# KiCad board Koca.kicad_pcb (continued)
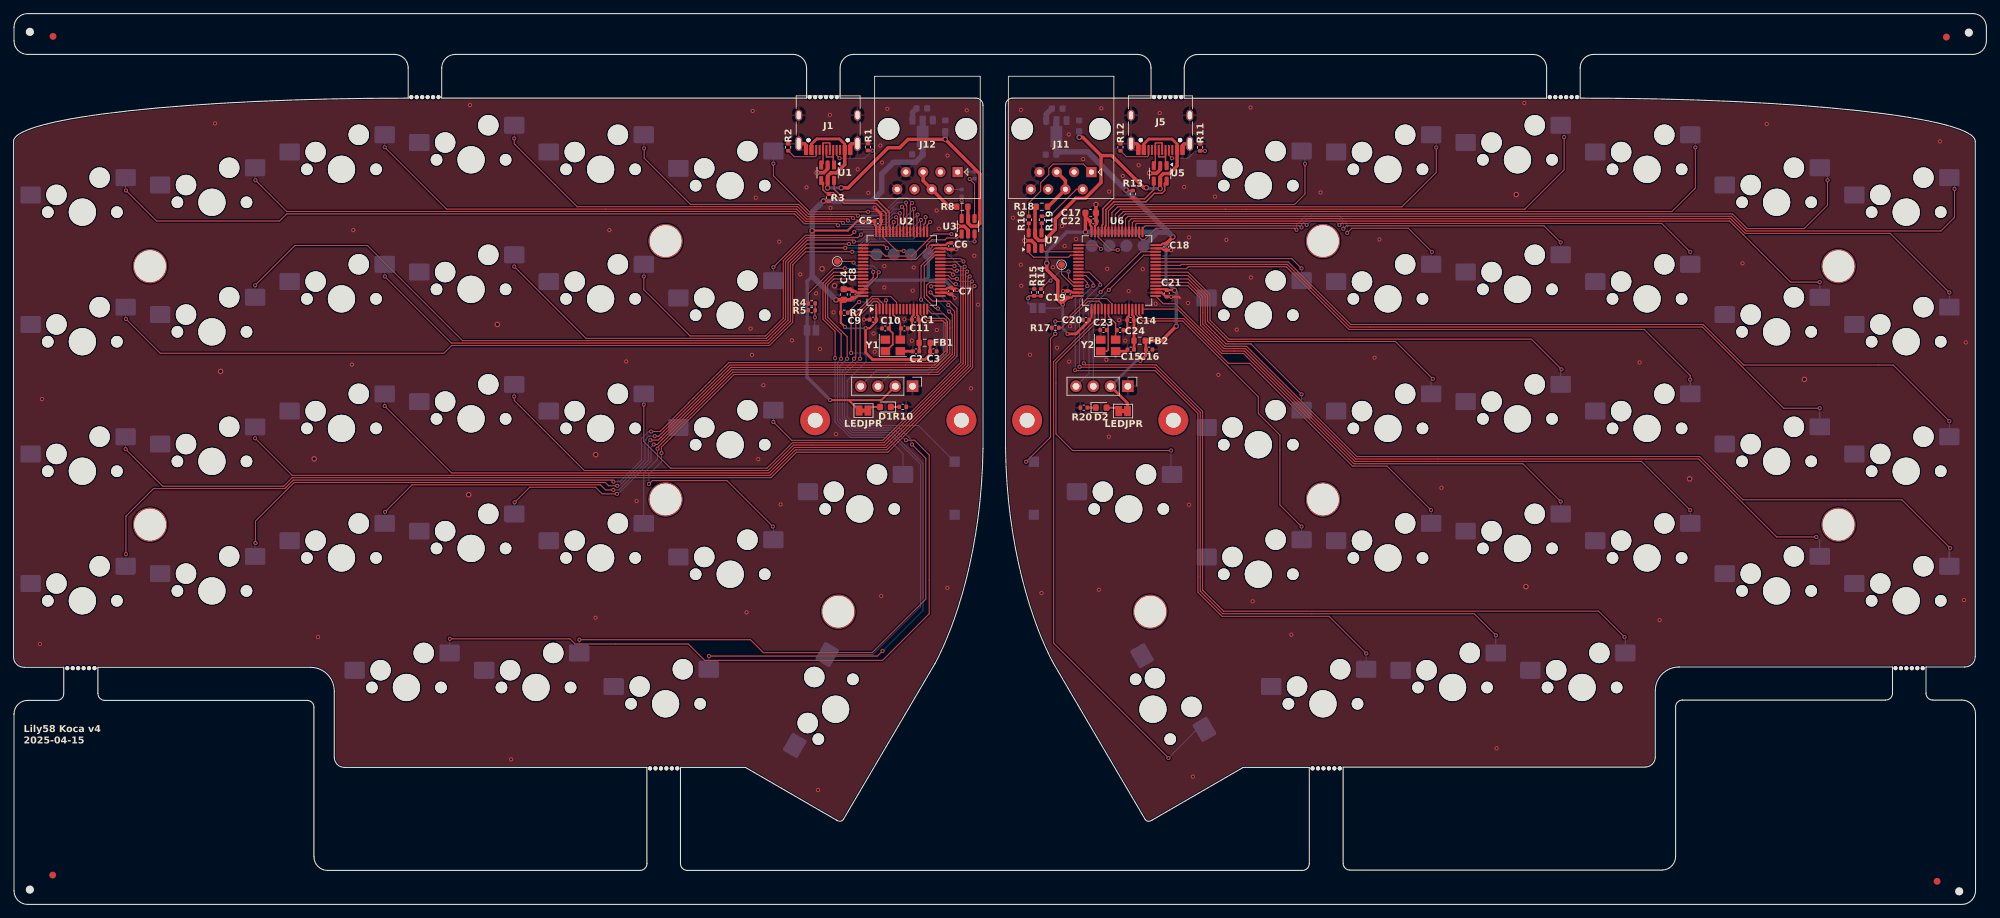
[diagram p0: board, top side]
## Routing (per net, layer and track width the routed paths; a pad name or vN(x,y) marks a point on that pad's centre or on a via; arc(x,y) is an arc through that point)
+3.3VA: length 120.3
  Top w0.2: R13.1 163.62,104.98 v2(163.56,105.05)
  Top w0.3: U6.19 169.41,90.47 C21.1 170.65,90.34 v2(170.69,90.3) ; C18.1 168.94,97.18 168.74,96.97 U6.32 ; C22.1 158.28,99.88 158.49,99.67 U6.48 ; U6.64 155.78,89.47 155.56,89.25 C19.1 ; U6.1 158.49,86.3
  Top w0.4: v1(165.66,79.92) 166.48,80.74 C16.1 166.48,82.81 FB2.2 ; v1(154.26,88.2) 154.26,88.52 C19.1 ; JP4.1 163.78,73.7 J7.2 ; C20.1 158.16,85.86 156.21,83.9 v1(154.96,83.9)
  Top w0.5: FB2.2 168.81,82.9 v2(170.95,85.03) ; 157.59,101.14 C22.1 ; 157.59,101.14 157.59,98.88 v2(157.59,98.88) ; 157.59,101.14 C17.1 ; v2(170.45,98.16) 169.49,97.2 C18.1 169.55,97.24 ; v1(154.26,88.2) 153.53,88.93 153.53,91.72 151.91,93.34 v2(151.91,94.3)
  Bottom w0.2: v1(154.26,88.2) 153.76,87.7 JP3.1
  Bottom w0.4: v1(154.26,88.2) 154.26,84.7 154.96,84 v1(154.96,83.9) ; v1(165.66,79.92) 165.05,79.92 161.33,76.2 J7.2
  Bottom w0.5: v2(170.45,98.16) 170.45,98.11 169.43,97.1 169.43,91.56 v2(170.69,90.3) 170.95,90.05 v2(170.95,85.03) ; v2(151.91,94.3) 151.91,95.94 154.85,98.88 v2(157.59,98.88) 157.61,98.9
  Bottom w0.8: 169.7,98.91 169.63,98.84 168.15,98.84 ; 169.7,98.91 v2(163.56,105.05) 157.96,110.65 153.69,110.65 C26.1 153.32,110.29 U8.2 ; 169.7,98.91 v2(170.45,98.16) ; J6.4 168.15,98.84 ; 168.15,98.84 168.15,98.88 v2(157.59,98.88)
+3V3: length 147.1
  Top w0.2: 119.86,103.42 119.07,103.42 v2(119.06,103.42)
  Top w0.3: JP2.1 124.31,72.64 122.78,74.16 ; v2(117.41,99.08) 117.71,99.08 117.74,99.1 122.66,99.1 124.06,100.5 C5.1 126.58,99.98 126.83,99.73 U2.48 ; C6.1 137.34,97.28 137.03,96.97 U2.32 135.09,96.97 v1(134.83,96.72) ; J3.2 127.59,74.16 122.78,74.16 ; C4.1 121.62,88.48 R7.2 121.62,85.54 v1(122.23,84.93) ; C8.1 123.78,89.22 124.03,89.47 U2.64 ; 122.78,74.16 v1(120.04,74.16) ; U2.1 126.83,86.01 C9.1 126.84,85.69 125.88,84.73 v1(125.28,84.73) ; C7.1 137.34,90.68 137.13,90.47 U2.19
  Top w0.4: FB1.2 134.75,82.56 C3.1 134.75,80.89 134,80.15 126.28,80.15 125.28,81.15 v1(125.28,84.73) ; C7.1 138.03,90.51 138.51,90.51 v1(138.69,90.34)
  Top w0.5: C8.1 123.06,88.92 C4.1 120.94,88.92 v2(120.91,88.9)
  Bottom w0.3: v1(125.28,84.73) 122.43,84.73 v1(122.23,84.93) ; J2.4 134.5,96.39 v1(134.83,96.72)
  Bottom w0.5: 134.01,91.8 134.5,92.29 J2.4 ; 134.01,91.8 136.89,91.8 138.35,90.34 v1(138.69,90.34) ; 134.01,91.8 126.38,91.8 123.49,88.9 v2(120.91,88.9) ; v1(120.04,74.16) 116.66,77.55 JP1.1 116.66,91.65 117.41,92.4
  Bottom w0.8: U4.2 C13.1 133.66,110.2 132.58,109.12 129.36,109.12 127.63,107.4 127.63,104.85 126.21,103.42 v2(119.06,103.42) 117.41,101.78 v2(117.41,99.08) ; v2(120.91,88.9) 117.41,92.4 117.41,98.92
/VDDA_L: length 6.4
  Top w0.3: U2.13 132.83,86.67 133.04,86.46 C1.1
  Top w0.4: C2.1 133.17,85.87 C1.1
/VDDA_R: length 6.1
  Top w0.3: U6.13 164.49,86.67 164.69,86.46 C14.1
  Top w0.4: C14.1 164.74,85.88 FB2.1 164.74,82.89 C15.1
GND: length 30.7
  Top w0.15: U2.31 135.4,96.47 134.62,95.7 134.52,95.7
  Top w0.3: C5.2 127.54,99.99 127.33,99.78 U2.47 ; v1(138.56,96.35) 138.53,96.32 C6.2 137.34,96.32 137.19,96.47 U2.31 ; U2.12 132.33,86.67 132.08,86.42 C1.2 132.08,84.78 132.08,84.78 ; v1(138.37,89.21) 137.87,89.72 C7.2 137.44,89.72 137.19,89.97 U2.18 ; U2.63 123.99,89.97 123.78,90.18 C8.2 ; v1(125.04,86) 125.04,86 C9.2
  Top w0.4: C5.2 127.53,100.5 127.53,101.53 v1(126.59,102.47) ; C2.2 132.19,81.35 Y1.2 130.56,81.35
  Top w0.5: J1.S1 116.3,111.87 116.51,111.66 J1.A12 ; J1.A1 123.01,111.66 123.22,111.87 J1.S1 ; v2(138.81,99.72) 139.77,99.72 140.34,99.15 U3.2 ; U1.2 119.69,108.17 119.11,107.6 v2(118.13,107.6) ; C8.2 123.06,90.47 C4.2
  Bottom w0.5: 98.26,108.4 98.1,108.24 SW7.1
  Bottom w0.8: U4.1 132.16,116.45 C12.2
  vias: v1(3.86,38.3) v1(4.17,74.31) v1(29.62,114.85) v1(44.76,39.31) v1(49.74,79.39) v1(49.94,99.15) v1(67.11,117.54) v1(73.16,21.33) v1(85.55,42.16) v1(87.58,99.15) v1(90.07,79.85) v1(91.6,59.33) v1(107.76,42.95) v1(108.36,84.68) v1(108.56,80.82) v1(108.67,116.68) v1(109.12,103.93) v1(109.48,65.47) v1(110.24,76.35) v1(112.58,97.45) v1(112.78,58.82) v1(114.44,82.95) v1(115.68,92.65) v1(116.59,105.45) v1(117.99,89.85) v1(118.27,16.81) v1(118.57,81.68) v1(120.01,116.1) v1(120.11,102.45) v1(120.55,87.06) v1(120.91,69.15) v1(124.11,108.1) v1(125.66,104.65) v1(126.45,83.97) v1(126.6,81.27) v1(127.44,111.6) v1(127.56,45.36) v1(127.69,109.1) v1(128.02,93.87) v1(128.02,90.72) v1(128.46,117) v1(130.97,86.05) v1(132.06,82.9) v1(132.19,90.26) v1(132.34,93.67) v1(135.71,102.05) v1(135.74,84.47) v1(136.03,99.38) v1(137.31,110.12) v1(137.29,46.55) v1(140.13,116.78) v1(140.77,75.89) v1(141.26,95.4) v1(141.81,88.2) v2(30.43,78.38) v2(44.2,65.52) v2(66.91,60.24) v2(71.12,85.29) v2(85.6,66.13) v2(118.88,93.46) v2(120.7,90.98)
GNDA: length 31.4
  Top w0.3: C19.2 155.41,90.2 155.63,89.97 U6.63 ; C18.2 169.12,96.22 168.86,96.47 U6.31 ; U6.12 163.99,86.58 163.74,86.33 C14.2 163.74,84.42 163.73,84.42 ; U6.47 158.99,99.78 159.24,100.03 C22.2 ; U6.18 168.79,89.97 169.39,89.38 C21.2 170.16,89.38 170.18,89.35 v1(170.2,89.35) 171.3,89.35 171.5,89.15
  Top w0.4: v1(154.28,90.2) 154.98,90.2 C19.2 ; Y2.2 163.53,81.35 C15.2 ; v1(170.18,96.2) 170.16,96.22 C18.2
  Top w0.5: U5.2 168.59,108.07 168.04,107.52 167.03,107.52 v2(167,107.55) ; J5.S1 165.16,111.87 165.41,111.61 165.41,111 J5.A12 ; J5.A1 171.87,111.61 172.13,111.87 J5.S1 ; v2(159.13,102.94) C17.2 159.13,100.56 C22.2 ; v2(148.67,97.61) 149.66,97.61 150.19,97.09 U7.2
  Bottom w0.5: SW36.1 271.32,103.67 ; SW32.1 195.12,109.97 ; SW39.1 195.12,90.92
  Bottom w0.8: C25.2 151.82,116.19 U8.1
  vias: v1(146.94,100.97) v1(148.09,94.08) v1(148.11,116.85) v1(148.16,90.97) v1(149.44,80.82) v1(151.13,45.79) v1(152.81,93.7) v1(153.42,81.86) v1(154.13,99.78) v1(154.53,96.8) v1(155.13,113.22) v1(155.2,79.82) v1(155.32,85.03) v1(156.21,97.83) v1(157.26,109.6) v1(159.57,46.27) v1(159.94,117.08) v1(160.66,80.1) v1(160.79,93.46) v1(161.09,104.83) v1(161.03,68.78) v1(162.56,85.92) v1(163.09,107.12) v1(163.46,82.9) v1(163.94,90.19) v1(165.41,108.7) v1(166.02,93.41) v1(167.9,88.33) v1(168.51,116.38) v1(172.11,105.5) v1(172.67,88.44) v1(172.83,98.09) v1(172.83,58.77) v1(173.38,18.79) v1(176.64,104.08) v1(177.13,77.88) v1(178.31,97.73) v1(179.84,84.52) v1(181.87,117.19) v1(181.92,92.19) v1(182.18,44.56) v1(187.86,39.67) v1(192.16,104.69) v1(200.11,80.41) v1(200.82,97.78) v1(209.94,61.28) v1(218.04,22.95) v1(222.1,117.85) v1(239.07,79.7) v1(242.02,41.8) v1(254.21,94.28) v1(257.76,114.75) v1(283.21,112.21) v1(286.77,44.75) v1(287.02,82.64) v2(220.93,104.39) v2(222.36,46.73) v2(246.43,62.58) v2(263.3,77.21)
VBUS: length 53.2
  Top w0.4: J5.A4 171.07,111.81 170.33,112.55 166.9,112.55 166.17,111.81 J5.A9
  Top w0.5: 159.88,110.12 159.88,106.16 157.55,103.83 156.16,103.83 153.16,100.83 153.16,99.26 151.54,97.64 150.73,97.64 150.19,98.18 U7.5 150.19,102.42 R18.2 ; 159.88,110.12 161.46,110.12 166.19,105.4 v2(166.53,105.4) ; 159.88,110.12 157.21,112.8 v2(156.69,112.8) ; J5.A4 171.07,108.6 169.94,107.48 169.04,107.48 168.59,107.02 U5.5 168.59,105.3 v2(168.56,105.28)
  Bottom w0.5: v2(168.56,105.28) 166.66,105.28 v2(166.53,105.4)
  Bottom w0.8: F2.1 156.66,112.83 v2(156.69,112.8)
/B0_L: length 15.5
  Top w0.15: U2.60 125.68,91.47 126.39,92.19 v1(126.39,93) ; v1(122.23,93.55) 120.59,93.55 116.84,89.81 R4.1
  Bottom w0.15: v1(122.23,93.55) 122.26,93.52 126.14,93.52 126.39,93.26 v1(126.39,93)
/B0_R: length 7.7
  Top w0.15: R14.1 152.29,91.74 v1(152.45,91.74) ; U6.60 155.79,91.47 155.1,92.16 v1(155.1,93.06)
  Bottom w0.15: v1(155.1,93.06) 153.78,93.06 v1(152.45,91.74)
/JMP_BOOT0_L: length 4.1
  Top w0.15: R4.2 R5.2 117.81,87.32 v1(117.81,86.33)
  Bottom w0.15: JP1.2 117.8,84.59 117.8,86.31 v1(117.81,86.33)
/JMP_BOOT0_R: length 3.9
  Top w0.2: v1(149.13,89.12) 149.13,89.33 149.3,89.49 R15.2 R14.2
  Bottom w0.2: JP3.2 149.13,88.47 v1(149.13,89.12)
/L_A: length 2
  Top w0.3: D1.2 126.13,73.15 JP2.2
/L_CC1: length 7.4
  Top w0.15: J1.A5 121.01,110.15 v1(121.44,109.73) ; v1(126.28,110.85) 125.62,110.85 R1.2
  Bottom w0.15: v1(121.44,109.73) 125.16,109.73 v1(126.28,110.85)
/L_CC2: length 5.4
  Top w0.15: J1.B5 118.01,110.08 117.89,109.95 114.77,109.95 R2.2
/L_K: length 1.3
  Top w0.3: 130.22,73.18 130.2,73.15 D1.1
/LCON_V: length 7.8
  Top w0.5: R8.1 137.56,102.6 J12.4 133.72,106.43 133.72,107.7
/NRST_L: length 45.6
  Top w0.15: U2.7 129.83,88.53 128.94,89.42 126.21,89.42 123.13,86.34 v1(123.13,81.09)
  Bottom w0.15: v1(123.13,81.09) 124.84,81.09 125.35,80.59 125.35,79.82 122.56,77.03 122.56,71.68 123.81,70.43 133.03,70.43 SW1.2
/NRST_R: length 34.5
  Top w0.15: 153.16,85.6 v1(153.16,85.72) 154.49,85.72 157.86,89.1 160.71,89.1 161.49,88.32 U6.7 ; v1(153.16,83.9) 152.46,83.2 152.46,68.7 v1(148.86,65.1)
  Bottom w0.15: v1(153.16,85.72) v1(153.16,83.9)
  Bottom w0.2: SW37.2 v1(148.86,65.1)
/R_A: length 2
  Top w0.3: JP4.2 161.99,73.05 D2.2
/R_CC1: length 7.4
  Top w0.15: R11.2 174.47,110.8 v1(175.16,110.8) ; v1(170.32,109.73) 169.87,110.18 J5.A5
  Bottom w0.15: v1(170.32,109.73) 172.66,109.73 173.74,110.8 v1(175.16,110.8)
/R_CC2: length 5.4
  Top w0.15: J5.B5 166.87,110.08 166.74,109.95 163.62,109.95 R12.2
/R_K: length 1.2
  Top w0.3: R20.1 D2.1
/RCON_V: length 6.8
  Top w0.5: R18.1 152.09,102.6 154.65,105.16 154.65,106.43 J11.5
/SCL_L: length 29.7
  Top w0.15: v1(135.89,87.62) 135.53,87.62 133.89,89.26 133.89,93.89 135.48,95.47 U2.29
  Bottom w0.15: v1(135.89,87.62) 137.16,86.35 137.16,80.66 134.52,78.02 128.91,78.02 J3.3
/SCL_R: length 24.1
  Top w0.15: v1(161.02,90.34) 166.15,95.47 U6.29
  Bottom w0.15: J7.3 158.75,88.07 v1(161.02,90.34)
/SDA_L: length 32.2
  Top w0.15: v1(133.42,88.93) 133.42,93.91 135.48,95.97 U2.30
  Bottom w0.15: v1(133.42,88.93) 133.47,88.93 136.71,85.69 136.71,80.82 134.42,78.53 126.88,78.53 J3.4
/SDA_R: length 25.9
  Top w0.15: U6.30 165.76,95.97 v1(159.82,90.04)
  Bottom w0.15: v1(159.82,90.04) 158.12,88.33 158.12,78.11 J7.4
/SIDE_L: length 7.8
  Top w0.15: U2.4 128.33,88.78 128.28,88.83 v1(128.28,88.84) ; R7.1 124.21,88.59 v1(124.31,88.59)
  Top w0.3: R7.1 122.74,87.01
  Bottom w0.15: v1(124.31,88.59) 128.02,88.59 128.27,88.84 v1(128.28,88.84)
/SIDE_R: length 8.9
  Top w0.15: U6.4 159.99,88.32 159.61,88.7 157.96,88.7 154.06,84.8 R17.1
/SWCLK_L: length 5.1
  Top w0.15: v1(128.41,96.5) 127.94,96.97 U2.49
  Bottom w0.15: J2.2 128.52,96.5 v1(128.41,96.5)
/SWCLK_R: length 4.9
  Top w0.15: U6.49 159.29,96.97 v1(159.87,96.4)
  Bottom w0.15: J6.2 160.63,96.4 v1(159.87,96.4)
/SWDIO_L: length 6
  Top w0.15: v1(130.86,96.11) 129.85,96.11 127.83,98.13 U2.46
  Bottom w0.15: J2.3 131.45,96.11 v1(130.86,96.11)
/SWDIO_R: length 5.9
  Top w0.15: v1(162.34,96.24) 161.37,96.24 159.49,98.13 U6.46
  Bottom w0.15: J6.3 163.01,96.24 v1(162.34,96.24)
CON_RX_L: length 1.9
  Bottom w0.15: R6.1 137.56,105.14 J12.2
CON_RX_R: length 15.3
  Top w0.15: R16.1 149.26,103.15 151.01,104.9 151.01,106.12 152.21,107.33 152.21,108.25 152.84,108.88 157.29,108.88 J11.1
CON_TX_L: length 2.5
  Bottom w0.15: J12.1 138.84,107.73 R9.1
CON_TX_R: length 7.6
  Top w0.15: R19.1 152.31,101.2 156.27,105.16 J11.2
HSE_IN_L: length 6.9
  Top w0.25: U2.5 128.83,84.43 129.26,84 129.26,82.33 128.28,81.35 Y1.1
HSE_IN_R: length 7.4
  Top w0.2: U6.5 160.49,85.62 160.94,85.17 160.94,81.55 160.74,81.35 Y2.1
HSE_OUT_L: length 4.9
  Top w0.25: Y1.3 130.38,85.66 129.33,86.71 U2.6
HSE_OUT_R: length 4.9
  Top w0.2: U6.6 160.99,86.5 162.03,85.45 162.03,83.06 Y2.3
L0: length 119.6
  Top w0.15: v1(121.2,99.88) 120.97,100.1 116.29,100.1 114.84,101.55 40.16,101.55 39.11,100.5 21.01,100.5 v1(16.51,105) ; v1(129.4,100.34) 129.33,100.26 U2.43
  Bottom w0.15: SW2.2 16.46,105.05 v1(16.51,105) ; v1(129.4,100.34) 128.72,99.65 121.42,99.65 v1(121.2,99.88)
L1: length 101.5
  Top w0.15: v1(35.56,106.5) 40.16,101.9 114.98,101.9 116.43,100.45 121.7,100.45 v1(121.93,100.22) ; U2.42 129.83,99.72 129.98,99.87 129.98,100.83 v1(129.76,101.05)
  Bottom w0.15: v1(129.76,101.05) 129.26,101.05 128.21,100 122.15,100 v1(121.93,100.22) ; SW3.2 35.51,106.55 v1(35.56,106.5)
L2: length 85.4
  Top w0.15: v1(54.56,111.35) 63.66,102.25 115.13,102.25 116.58,100.8 122.45,100.8 v1(122.67,100.58) ; v1(130.3,101.64) 130.34,101.61 130.34,98.91 U2.41
  Bottom w0.15: v1(130.3,101.64) 130.28,101.63 129.34,101.63 128.07,100.35 122.9,100.35 v1(122.67,100.58) ; SW4.2 v1(54.56,111.35)
L3: length 69
  Top w0.15: v1(73.61,112.65) 73.61,111.85 82.86,102.6 115.27,102.6 116.72,101.15 123.18,101.15 v1(123.41,100.92) ; U2.40 130.83,101.32 130.91,101.4 130.91,102.3 v1(130.61,102.6)
  Bottom w0.15: SW5.2 v1(73.61,112.65) ; v1(130.61,102.6) 130.25,102.24 129.46,102.24 127.92,100.7 123.63,100.7 v1(123.41,100.92)
L4: length 50.6
  Top w0.15: v1(92.71,111.2) 92.71,109.75 99.51,102.95 115.42,102.95 116.87,101.5 123.9,101.5 v1(124.13,101.28) ; U2.39 131.33,102.68 131.21,102.8 v1(131.21,103.2)
  Bottom w0.15: v1(124.13,101.28) 128,101.28 129.93,103.2 v1(131.21,103.2) ; SW6.2 92.66,111.25 v1(92.71,111.2)
L5: length 31.8
  Top w0.15: v1(132.11,103.14) 131.83,102.86 U2.38 ; v1(125.63,101.85) 117.01,101.85 111.71,107.15 v1(111.71,108.95)
  Bottom w0.15: SW7.2 v1(111.71,108.95) ; v1(132.11,103.14) 131.33,103.92 130.13,103.92 128.11,101.9 125.68,101.9 v1(125.63,101.85)
L6: length 143.6
  Top w0.15: v1(16.51,86.1) 21.56,81.05 63.26,81.05 64.41,82.2 111.14,82.2 114.56,85.62 114.56,94.08 116.46,95.97 v1(123.3,95.97) ; v1(139.66,94.55) 139.24,94.97 U2.28
  Bottom w0.15: v1(16.51,86.1) 16.46,86.15 SW8.2 ; v1(123.3,95.97) 124.48,95.97 126,97.5 135.57,97.5 138.52,94.55 v1(139.66,94.55)
L7: length 123.8
  Top w0.15: U2.34 133.83,99.97 134.09,100.23 v1(134.09,101.07) ; v1(35.51,91.05) 41.36,96.9 52.01,96.9 66.01,82.9 110.85,82.9 113.86,85.91 113.86,94.37 116.62,97.12 v1(122.83,97.12)
  Bottom w0.15: SW9.2 v1(35.51,91.05) ; v1(134.09,101.07) 134.09,100.52 131.77,98.2 125.62,98.2 124.32,96.9 123.06,96.9 v1(122.83,97.12)
L8: length 100
  Top w0.15: v1(134.76,100.35) 134.33,99.92 U2.33 ; v1(54.56,92.35) 64.36,82.55 110.99,82.55 114.21,85.77 114.21,94.22 116.54,96.55 v1(122.27,96.55)
  Bottom w0.15: v1(122.27,96.55) 124.56,96.55 125.86,97.85 132.26,97.85 v1(134.76,100.35) ; SW10.2 v1(54.56,92.35)
L9: length 80
  Top w0.15: v1(133.4,100.65) 133.33,100.58 U2.35 ; v1(123.55,97.47) 123.32,97.7 116.7,97.7 113.51,94.51 113.51,86.06 110.7,83.25 84.16,83.25 v1(73.61,93.8)
  Bottom w0.15: SW11.2 v1(73.61,93.8) ; v1(133.4,100.65) 131.3,98.55 125.47,98.55 124.4,97.47 v1(123.55,97.47)
L10: length 61.7
  Top w0.15: v1(124.61,98.5) 124.16,98.05 116.55,98.05 113.16,94.66 113.16,86.2 110.56,83.6 99.46,83.6 92.66,90.4 v1(92.66,92.35) ; U2.36 132.83,101.38 v1(132.9,101.45)
  Bottom w0.15: v1(132.9,101.45) 130.35,98.9 125.01,98.9 v1(124.61,98.5) ; SW12.2 v1(92.66,92.35)
L11: length 29.7
  Top w0.15: v1(111.71,93.7) 116.41,98.4 123.11,98.4 v1(123.61,98.9) ; v1(132.4,102.3) 132.33,102.22 U2.37
  Bottom w0.15: v1(123.61,98.9) 123.96,99.25 129.35,99.25 v1(132.4,102.3) ; SW13.2 v1(111.71,93.7)
L12: length 153.4
  Top w0.15: v1(16.46,66.95) 21.91,61.5 39.71,61.5 40.96,62.75 111.36,62.75 115.11,66.5 128.53,66.5 129.56,67.53 141.01,78.98 141.01,90.65 v1(141.28,90.92) ; v1(138.54,91.21) 138.21,91.21 137.45,91.97 U2.22
  Bottom w0.15: v1(138.54,91.21) 138.83,90.92 v1(141.28,90.92) ; SW14.2 v1(16.46,66.95)
L13: length 133.3
  Top w0.15: v1(138.69,92) 137.92,92 137.44,92.47 U2.23 ; v1(140.9,91.62) 140.66,91.38 140.66,79.12 128.39,66.85 114.95,66.85 111.2,63.1 40.96,63.1 v1(35.51,68.55)
  Bottom w0.15: v1(140.9,91.62) 139.07,91.62 v1(138.69,92) ; SW15.2 v1(35.51,68.55)
L14: length 115.9
  Top w0.15: v1(138.11,92.62) 137.76,92.97 U2.24 ; v1(54.56,73.3) 64.41,63.45 111.06,63.45 114.81,67.2 128.24,67.2 140.31,79.27 140.31,92.08 v1(140.58,92.35)
  Bottom w0.15: SW16.2 v1(54.56,73.3) ; v1(140.58,92.35) 140.1,92.35 139.88,92.58 138.16,92.58 v1(138.11,92.62)
L15: length 97.3
  Top w0.15: v1(138.69,93.18) 138.23,93.18 137.94,93.47 U2.25 ; v1(140.21,93.06) 139.96,92.81 139.96,79.41 128.1,67.55 114.65,67.55 110.9,63.8 83.91,63.8 73.61,74.1 v1(73.61,74.7)
  Bottom w0.15: SW17.2 v1(73.61,74.7) ; v1(140.21,93.06) 140.07,93.19 138.7,93.19 v1(138.69,93.18)
L16: length 79.9
  Top w0.15: U2.26 138.25,93.97 v1(138.33,93.9) ; v1(92.66,73.5) 92.66,68.07 96.58,64.15 110.76,64.15 114.51,67.9 127.95,67.9 128.76,68.7 139.61,79.56 139.61,93.54 v1(139.84,93.77)
  Bottom w0.15: v1(139.84,93.77) 138.46,93.77 v1(138.33,93.9) ; SW18.2 v1(92.66,73.5)
L17: length 52.5
  Top w0.15: U2.27 138.57,94.47 139.26,93.78 139.26,79.7 127.81,68.25 114.41,68.25 v1(111.71,70.95)
  Bottom w0.15: SW19.2 v1(111.71,70.95)
L18: length 149
  Top w0.15: v1(88.19,62.18) 87.97,62.4 41.1,62.4 39.85,61.15 20.57,61.15 16.51,57.09 v1(16.51,51.5) ; U2.14 133.33,86.77 134.28,85.83 136.63,85.83 136.96,85.5 136.96,81.33 135.3,79.67 105.13,79.67 99.19,73.73 99.19,73.68 95.05,69.54 v1(93.73,69.54)
  Bottom w0.15: v1(16.51,51.5) 16.51,49.78 SW20.2 ; v1(88.19,62.18) 89.16,62.18 92.33,65.35 92.33,68.52 93.35,69.54 v1(93.73,69.54)
L19: length 128.6
  Top w0.15: v1(35.56,53.16) 35.56,56.36 41.25,62.05 87,62.05 87.49,61.56 v1(88.75,61.56) ; U2.15 133.83,86.78 134.43,86.17 136.84,86.17 137.31,85.7 137.31,81.19 135.44,79.32 105.33,79.32 94.86,68.85 v1(94.26,68.85)
  Bottom w0.15: v1(94.26,68.85) 93.39,68.85 92.84,68.3 92.84,65.36 89.04,61.56 v1(88.75,61.56) ; SW21.2 35.51,53.1 v1(35.56,53.16)
L20: length 105.7
  Top w0.15: 137.66,84.78 137.66,81.04 135.59,78.97 105.47,78.97 94.78,68.27 v1(93.63,68.27) ; 137.66,84.78 137.66,84.7 ; 137.66,84.78 137.66,85.9 136.71,86.85 135.03,86.85 U2.16 ; v1(88.17,60.95) 87.03,60.95 86.29,61.7 58.59,61.7 v1(54.61,57.73)
  Bottom w0.15: v1(88.17,60.95) 88.96,60.95 93.32,65.32 93.32,67.97 v1(93.63,68.27) 93.54,68.18 ; v1(54.61,57.73) 54.56,57.67 SW22.2
L21: length 89.2
  Top w0.15: v1(94.11,67.63) 94.63,67.63 105.62,78.62 135.73,78.62 138.01,80.9 138.01,86.73 v1(137.55,87.19) ; v1(134.82,90.01) 135.35,89.47 U2.17 ; v1(88.72,60.37) 86.53,60.37 85.55,61.35 75.89,61.35 v1(73.66,59.12)
  Bottom w0.15: v1(88.72,60.37) 88.87,60.37 93.73,65.23 93.73,67.25 v1(94.11,67.63) 94.1,67.63 ; v1(134.82,90.01) 134.82,89.92 v1(137.55,87.19) ; v1(73.66,59.12) 73.61,59.07 SW23.2
L22: length 74.3
  Top w0.15: v1(94.68,67) 94.68,67.19 105.76,78.27 135.88,78.27 138.36,80.75 138.36,87.2 v1(137.42,88.14) ; U2.20 134.98,90.97 v1(134.89,90.89)
  Bottom w0.15: v1(137.42,88.14) 137.42,88.36 v1(134.89,90.89) ; SW24.2 92.66,63.44 94.68,65.46 v1(94.68,67)
L23: length 94.5
  Top w0.15: U2.21 134.67,91.47 134.24,91.05 134.24,89.6 135.13,88.72 137.67,88.72 138.71,87.68 138.71,80.61 136.02,77.92 133.99,77.92 ; 134.12,77.92 133.99,77.92 ; 133.99,77.92 105.92,77.92 95.25,67.25 v1(95.25,66.36) ; v1(111.64,55.57) 104.88,62.32 93.91,62.32 v1(93.41,61.82)
  Bottom w0.15: v1(93.41,61.82) 93.41,63.25 95.25,65.09 v1(95.25,66.36) ; SW25.2 111.71,55.5 v1(111.64,55.57)
L24: length 137.2
  Top w0.15: v1(64.14,39.06) 81.79,39.06 82.55,38.3 99.19,38.3 101.6,35.88 127.77,35.88 134.62,42.74 134.62,66.11 132.47,68.27 v1(131.19,68.27) ; v1(123.57,80.25) 123.83,80.5 123.83,86.54 126.35,89.06 127.09,89.06 127.83,88.32 U2.3
  Bottom w0.15: v1(123.57,80.25) 123.57,80.08 121.83,78.34 121.83,71.37 123.47,69.73 129.61,69.73 131.07,68.27 v1(131.19,68.27) ; SW26.2 64.11,39.03 v1(64.14,39.06)
L25: length 113.1
  Top w0.15: v1(124.46,80.25) 124.46,86.68 126.5,88.72 126.94,88.72 127.33,88.32 U2.2 ; v1(83.19,38.93) 108.34,38.93 110.24,37.03 126.24,37.03 134.12,44.9 134.12,65.6 v1(132.08,67.63)
  Bottom w0.15: SW27.2 83.16,38.9 v1(83.19,38.93) ; v1(132.08,67.63) 131.96,67.76 131.96,68.32 130.2,70.08 123.67,70.08 122.18,71.57 122.18,77.96 v1(124.46,80.25)
L26: length 99.8
  Top w0.15: U2.59 120.6,91.97 119.7,91.08 119.7,86.34 122.56,83.48 v1(122.56,80.25) ; v1(102.24,36.52) 127,36.52 v1(127.77,37.28)
  Bottom w0.15: v1(127.77,37.28) 133.7,43.22 133.7,64.87 129.19,69.38 123.33,69.38 121.48,71.22 121.48,79.17 v1(122.56,80.25) ; SW28.2 102.21,36.49 v1(102.24,36.52)
L27: length 79.8
  Top w0.15: v1(121.67,80.25) 121.67,83.88 119.35,86.19 119.35,91.22 120.6,92.47 U2.58
  Bottom w0.15: v1(121.67,80.25) 121.13,79.71 121.13,71.08 123.18,69.03 129.04,69.03 133.35,64.71 133.35,43.76 126.34,36.74 SW29.2
L28: length 42.7
  Top w0.15: U2.57 120.6,92.97 119,91.38 119,86.05 120.78,84.27 v1(120.78,80.33)
  Bottom w0.15: v1(120.78,80.33) 120.78,70.94 123.07,68.65 128.4,68.65 130.76,66.29 SW30.2
L_D+: length 15.1
  Top w0.2: 118.69,106.42 U1.4 119.08,106.11 119.08,105.77 118.98,105.67 118.98,105.08 119.39,104.67 120.52,104.67 122.12,103.08 126.83,103.08 128.28,101.63 128.28,98.9 U2.45
L_D-: length 13.7
  Top w0.2: U2.44 128.78,98.95 128.78,99.76 128.73,99.81 128.73,101.82 127.02,103.53 122.31,103.53 120.63,105.2 U1.6
LCON_D+: length 5.3
  Top w0.2: U1.3 119.01,109.01 J1.B6 119.01,111.93 119.06,111.98 119.96,111.98 120.01,111.93 J1.A6
LCON_D-: length 5.3
  Top w0.2: U1.1 120.51,108.86 J1.B7 120.51,109.98 120.46,109.93 119.56,109.93 119.51,109.98 J1.A7
R0: length 39.5
  Top w0.15: U6.43 160.99,102 161.93,102.94 188.34,102.94 189.87,104.46 v1(189.87,108.91)
  Bottom w0.15: SW31.2 189.87,110.28 v1(189.87,108.91)
R1: length 58.8
  Top w0.15: U6.42 161.49,101.73 162.34,102.59 204.12,102.59 209.17,107.64 v1(209.17,111.32)
  Bottom w0.15: v1(209.17,111.32) 209.17,112.42 SW32.2
R2: length 78.1
  Top w0.15: 178.19,102.24 222.19,102.24 227.97,108.02 v1(227.97,112.84) ; 178.19,102.24 162.75,102.24 161.99,101.47 U6.41 ; 178.19,102.24 178.11,102.24
  Bottom w0.15: v1(227.97,112.84) 227.97,114.08 SW33.2
R3: length 97
  Top w0.15: v1(247.27,111.32) 247.27,105.35 243.81,101.89 163.16,101.89 162.49,101.21 U6.40
  Bottom w0.15: SW34.2 247.27,112.42 v1(247.27,111.32)
R4: length 114.4
  Top w0.15: U6.39 162.99,101.07 163.45,101.54 252.74,101.54 254.89,99.38 263.27,99.38 266.7,102.81 v1(266.7,106.5)
  Bottom w0.15: SW35.2 266.7,107.19 v1(266.7,106.5)
R5: length 131.8
  Top w0.15: U6.38 163.49,100.81 163.86,101.19 252.59,101.19 254.75,99.03 283.37,99.03 285.37,101.03 v1(285.37,105.22)
  Bottom w0.15: SW36.2 285.37,106.12 v1(285.37,105.22)
R6: length 23.9
  Top w0.15: v1(189.36,93.54) 187.93,94.97 U6.28
  Bottom w0.15: v1(189.36,93.54) 189.37,93.54 SW38.2
R7: length 51.5
  Top w0.15: v1(208.54,95.95) 205.05,99.44 196.76,99.44 v1(196.07,98.75) ; v1(188.62,99.21) 188.4,99.44 167.95,99.44 166.25,97.73 165.88,97.73 165.49,98.13 U6.34
  Bottom w0.15: v1(196.07,98.75) 196.09,98.77 196.09,100.06 194.91,101.23 189.94,101.23 188.62,99.92 v1(188.62,99.21) ; SW39.2 208.42,95.83 v1(208.54,95.95)
R8: length 67.1
  Top w0.15: v1(189.36,99.56) 189.14,99.79 166.37,99.79 165.99,99.4 U6.33 ; v1(195.51,99.36) 195.94,99.79 225.02,99.79 v1(227.46,97.35)
  Bottom w0.15: v1(189.36,99.56) 189.36,99.97 190.28,100.88 194.77,100.88 195.51,100.14 v1(195.51,99.36) ; v1(227.46,97.35) 227.47,97.35 SW40.2
R9: length 87
  Top w0.15: v1(190.12,99.91) 189.9,100.14 165.1,100.14 164.99,100.03 U6.35 ; v1(194.92,99.91) 195.15,100.14 242.33,100.14 v1(246.51,95.95)
  Bottom w0.15: v1(190.12,99.91) 190.74,100.53 194.31,100.53 v1(194.92,99.91) ; SW41.2 246.52,95.95 v1(246.51,95.95)
R10: length 108.5
  Top w0.15: U6.36 164.49,100.25 164.72,100.49 252.3,100.49 254.25,98.54 261.28,91.51 v1(265.56,91.51)
  Bottom w0.15: SW42.2 265.57,90.87 265.56,90.87 v1(265.56,91.51)
R11: length 129
  Top w0.15: U6.37 163.99,100.48 164.34,100.84 252.45,100.84 254.6,98.68 275.91,98.68 v1(284.61,89.98)
  Bottom w0.15: v1(284.61,89.98) 284.62,89.98 SW43.2
R12: length 33.1
  Top w0.15: U6.22 172.67,91.97 175.2,89.44 175.2,85.48 178.25,82.43 181.93,82.43 v1(189.36,75)
  Bottom w0.15: v1(189.36,75) 189.37,74.99 SW44.2
R13: length 51.6
  Top w0.15: v1(208.67,77.28) 203.17,82.78 178.53,82.78 175.55,85.76 175.55,89.59 172.66,92.47 U6.23
  Bottom w0.15: v1(208.67,77.28) 208.42,77.04 SW45.2
R14: length 70.1
  Top w0.15: v1(227.59,78.68) 223.14,83.13 178.69,83.13 175.9,85.92 175.9,89.73 172.66,92.97 U6.24
  Bottom w0.15: SW46.2 227.47,78.56 v1(227.59,78.68)
R15: length 88.1
  Top w0.15: U6.25 172.42,93.47 172.72,93.78 187.12,93.78 196.34,84.56 239.75,84.56 246.51,77.79 v1(246.51,77.16)
  Bottom w0.15: v1(246.51,77.16) 246.51,76.78 246.52,76.77 SW47.2
R16: length 109.2
  Top w0.15: v1(265.56,72.97) 260.24,72.97 248.3,84.91 196.49,84.91 187.27,94.12 171.71,94.12 171.56,93.97 U6.26
  Bottom w0.15: SW48.2 265.56,70.24 v1(265.56,72.97)
R17: length 128.7
  Top w0.15: U6.27 187.41,94.47 196.6,85.29 248.42,85.29 254.38,79.32 276.36,79.32 v1(284.61,71.06)
  Bottom w0.15: SW49.2 284.62,71.06 v1(284.61,71.06)
R18: length 47.5
  Top w0.15: U6.14 164.99,86.77 165.96,85.79 171.89,85.79 183.01,74.67 183.01,72.21 186.19,69.03 186.19,58.74 v1(189.36,55.57)
  Bottom w0.15: v1(189.36,55.57) 189.37,55.56 SW50.2
R19: length 57.6
  Top w0.15: v1(208.41,57.98) 201.94,64.46 196.86,64.46 181.74,79.57 178.61,79.57 172.03,86.14 166.12,86.14 165.49,86.78 U6.15
  Bottom w0.15: v1(208.41,57.98) 208.42,57.98 SW51.2
R20: length 75
  Top w0.15: U6.16 171.12,87.55 177.64,81.03 180.83,81.03 181.32,80.54 197.05,64.81 221.91,64.81 v1(227.46,59.25)
  Bottom w0.15: SW52.2 227.47,59.25 v1(227.46,59.25)
R21: length 93.6
  Top w0.15: U6.17 169.05,88.33 170.83,88.33 177.79,81.38 180.98,81.38 182.22,80.13 197.2,65.16 239.34,65.16 v1(246.51,57.98)
  Bottom w0.15: v1(246.51,57.98) 246.52,57.98 SW53.2
R22: length 117.9
  Top w0.15: U6.20 172.68,90.97 174.5,89.15 174.5,85.16 177.93,81.73 181.12,81.73 182.57,80.28 197.34,65.5 247.76,65.5 259.22,54.04 v1(265.05,54.04)
  Bottom w0.15: SW54.2 265.57,53.53 v1(265.05,54.04)
R23: length 138.1
  Top w0.15: v1(284.74,52.39) 277.63,59.5 254.26,59.5 247.91,65.85 197.49,65.85 181.27,82.08 178.11,82.08 174.85,85.33 174.85,89.3 172.67,91.47 U6.21
  Bottom w0.25: SW55.2 284.62,52.27 v1(284.74,52.39)
R24: length 42.4
  Top w0.15: U6.3 159.49,85.89 153.26,79.67 153.26,69.19 155.71,66.74 v1(170.18,66.74)
  Bottom w0.15: v1(170.18,66.74) 170.18,63.36 SW56.2
R25: length 82.6
  Top w0.15: U6.2 158.99,85.89 158.38,85.29 158.37,85.29 152.91,79.82 152.91,38.42 v1(169.8,21.53)
  Bottom w0.15: v1(169.8,21.53) 174.01,25.74 SW57.2
R26: length 92.9
  Top w0.15: v1(156.09,78.56) 156.15,78.49 167.84,78.49 174.12,72.21 174.12,45.92 177.68,42.36 193.43,42.36 v1(198.89,36.9) ; U6.59 157.33,91.97 157.88,91.43 v1(157.88,90.94)
  Bottom w0.15: v1(156.09,78.56) 156.09,89.15 v1(157.88,90.94) ; SW58.2 198.87,36.88 v1(198.89,36.9)
R27: length 111.4
  Top w0.15: v1(158.75,91) 158.75,91.38 157.66,92.47 U6.58 ; v1(156.72,79.06) 156.79,79 167.84,79 174.47,72.36 174.47,46.06 177.79,42.74 214.76,42.74 v1(217.94,39.57)
  Bottom w0.15: v1(217.94,39.57) 217.92,39.55 SW59.2 ; v1(158.75,91) 156.72,88.97 v1(156.72,79.06)
R28: length 130.6
  Top w0.15: v1(159.77,91.13) 159.77,91.38 158.18,92.97 U6.57 ; v1(236.86,39.31) 233.05,43.12 177.9,43.12 174.82,46.21 174.82,72.51 167.98,79.35 157.58,79.35 v1(157.36,79.57)
  Bottom w0.15: SW60.2 236.97,39.21 v1(236.86,39.31) ; v1(157.36,79.57) 157.36,88.72 v1(159.77,91.13)
R_D+: length 13.4
  Top w0.2: U5.4 167.63,105.1 166.3,103.76 161.59,103.76 160.16,102.34 160.16,100.02 160.03,99.89 160.03,98.95 U6.45
R_D-: length 14.7
  Top w0.2: U5.6 169.19,106.01 169.19,105.66 169.26,105.58 169.26,104.98 168.85,104.57 167.75,104.57 166.49,103.31 161.77,103.31 160.61,102.15 160.61,99.83 160.53,99.76 160.53,98.9 U6.44
RCON_D+: length 5.4
  Top w0.2: U5.3 167.87,108.87 J5.B6 167.87,111.93 167.91,111.98 168.82,111.98 168.87,111.93 J5.A6
RCON_D-: length 5.4
  Top w0.2: U5.1 169.37,108.81 J5.B7 169.37,109.98 169.32,109.93 168.41,109.93 168.37,109.98 J5.A7
RX_L: length 16.6
  Top w0.15: U2.52 125.91,95.47 126.55,94.84 132.64,94.84 134.24,96.44 134.24,96.94 135.03,97.73 136.94,97.73 137.21,98 138.8,98 139.38,98.59
RX_R: length 8.3
  Top w0.15: U6.52 155.38,95.47 155.09,95.17 149.96,95.17 149.24,95.9 U7.1
TP_L: length 10.2
  Top w0.15: U2.61 125.68,90.97 127,92.3 127,92.78 v1(127.19,92.96) ; v1(123.5,94.38) 123.32,94.56 TP1.1
  Bottom w0.15: v1(127.19,92.96) 127.19,93.09 126.36,93.92 123.96,93.92 v1(123.5,94.38)
TP_R: length 4.6
  Top w0.15: TP2.1 154.08,92.68 155.79,90.97 U6.61
TX_L: length 19.5
  Top w0.15: U2.51 127.54,95.97 128.17,95.34 132.05,95.34 135.31,98.6 v1(137.88,98.6) ; v1(141.28,97.5) U3.3
  Bottom w0.15: v1(137.88,98.6) 138.99,97.5 v1(141.28,97.5)
TX_R: length 5.6
  Top w0.15: U7.3 151.63,95.97 U6.51
VDC: length 54.8
  Top w0.4: J1.A4 122.21,111.81 121.77,112.25 121.76,112.25 121.44,112.58 118.09,112.58 117.78,112.28 117.77,112.28 117.31,111.81 J1.A9
  Top w0.5: v2(119.69,105.38) U1.5 119.69,107.12 120.14,107.58 120.99,107.58 122.21,108.8 J1.A4 ; v2(121.69,105.38) 122.69,105.38 128.59,111.28 130.28,111.28 131.51,112.5 v2(136.99,112.5) 142.08,107.41 142.08,100.14 141.69,99.75 140.79,99.75 140.34,100.2 U3.5 140.31,100.89 R8.2
  Bottom w0.5: v2(119.69,105.38) v2(121.69,105.38)
  Bottom w0.8: 136.99,113.72 v2(136.99,112.5)
Net-(R6-Pad2): length 3.3
  Top w0.15: v1(139.38,103.53) 139.38,100.86
  Bottom w0.15: R6.2 v1(139.38,103.53)
Net-(R9-Pad2): length 6.8
  Top w0.15: v1(140.59,106.67) 141.28,105.97 U3.4
  Bottom w0.15: 141.26,106.72 141.22,106.67 v1(140.59,106.67)
Net-(R16-Pad2): length 1.4
  Top w0.2: R16.2 149.24,100.14 U7.6
Net-(R19-Pad2): length 1.5
  Top w0.2: U7.4 151.13,100.13 R19.2

## Copper pours and planes (outline as drawn; the poured copper is in the pictures)
+5V on Bottom: 134.71,114.67 137.46,114.86 137.46,117.47 133.86,117.53 133.86,116.58 134.71,115.97
+5VA on Bottom: 154.37,114.62 157.13,114.85 157.16,117.5 153.76,117.5 153.76,116.55 154.37,115.92
GND on Top, Bottom: 142.46,65.5 142.36,61.8 141.56,55.1 139.86,46.7 137.66,40.3 135.66,35.7 121.76,12 107.56,20.1 47.16,20.1 47.16,31.7 46.06,33.9 43.86,34.9 0.06,34.9 0.06,112.2 0.36,112.9 1.16,113.5 5.16,114.9 15.36,116.6 26.16,117.6 41.46,118.3 57.96,118.6 142.46,118.7
GNDA on Top, Bottom: 146.03,65.47 146.13,61.77 146.93,55.07 148.63,46.67 150.83,40.27 152.83,35.67 166.73,11.97 180.93,20.07 241.33,20.07 241.33,31.67 242.43,33.87 244.63,34.87 288.43,34.87 288.43,112.17 288.13,112.87 287.33,113.47 283.33,114.87 273.13,116.57 262.33,117.57 247.03,118.27 230.43,118.57 146.13,118.47

## Text on the board
B.Silkscreen: -  + SCL SDA | Lily58 Koca v4 | BOOT0 | + DIO CLK - | Reset
F.Silkscreen: Lily58 Koca v4 / 2025-04-15 | LEDJPR
